# Allegro board 038RT-9068CJK8E-A100_0921_1.brd (continued)
## Nets (continued)
P5V: BDB26.1 BDB27.1 BDB28.1 CA5.1 CB259.1 CB260.1 FUSEB4.2
P12V: BDB23.1 BDB24.1 BDB25.1 CA6.1 CB253.1 CB254.1 FUSEB2.2
VDD5_ATX: BDB26.2 BDB27.2 BDB28.2 CA2.1 CB246.1 CB247.1 SH0_VDD5_ATX.1 SH1_VDD5_ATX.1 SH2_VDD5_ATX.1 SH3_VDD5_ATX.1
VDD18_ATX: R20.2 R21.2 R435.1 UNK1R20.2 UNK1R21.2 UNK2R20.2 UNK2R21.2 UNK3R20.2 UNK3R21.2 VDD18_ATX.1(TP)
VDD33_ATX: BDB29.2 BDB30.2 BDB31.2 C144.1 C145.1 C185.1 C213.1 C214.1 C217.1 CA1.1 CB249.1 CB250.1 CH11.1 CH21.1 CS1.1 K124.4 K124.5 K144.5(VDD[1]) K144.9(VDD[2]) K144.13(VDD[3]) K144.20(VDD[4]) K144.30(VDD[5]) K144.40(VDD[6]) K145.5(VDD[1]) K145.9(VDD[2]) K145.13(VDD[3]) K145.20(VDD[4]) K145.30(VDD[5]) K145.40(VDD[6]) K184.5(VDD[1]) K184.9(VDD[2]) K184.13(VDD[3]) K184.20(VDD[4]) K184.30(VDD[5]) K184.40(VDD[6]) K213.5(VDD[1]) K213.9(VDD[2]) K213.13(VDD[3]) K213.20(VDD[4]) K213.30(VDD[5]) K213.40(VDD[6]) K214.5(VDD[1]) K214.9(VDD[2]) K214.13(VDD[3]) K214.20(VDD[4]) K214.30(VDD[5]) K214.40(VDD[6]) K217.5(VDD[1]) K217.9(VDD[2]) K217.13(VDD[3]) K217.20(VDD[4]) K217.30(VDD[5]) K217.40(VDD[6]) LDOB2.3(IN) MUX1.16(EN) MUX2.16(EN) MUX3.16(EN) MUX4.16(EN) MUX5.16(EN) MUX6.16(EN) MUX7.16(EN) MUX8.16(EN) MUX9.16(EN) MUX10.16(EN) MUX11.16(EN) MUX12.16(EN) MUX13.16(EN) MUX14.16(EN) MUX15.16(EN) MUX16.16(EN) R586.1 RH122.1 RH222.1 RH1242.1 RH2242.1 RRG51.2 RRG53.2 RRG55.2 RRG57.2 RRG91.2 RRG93.2 RRG95.2 RS9.1 SPIH11.8(VCC) SPIH21.8(VCC) UNK1C144.1 UNK1C145.1 UNK1C185.1 UNK1C213.1 UNK1C214.1 UNK1C217.1 UNK1CH11.1 UNK1CH21.1 UNK1CS1.1 UNK1K124.4 UNK1K124.5 UNK1K144.5 UNK1K144.9 UNK1K144.13 UNK1K144.20 UNK1K144.30 UNK1K144.40 UNK1K145.5 UNK1K145.9 UNK1K145.13 UNK1K145.20 UNK1K145.30 UNK1K145.40 UNK1K184.5 UNK1K184.9 UNK1K184.13 UNK1K184.20 UNK1K184.30 UNK1K184.40 UNK1K213.5 UNK1K213.9 UNK1K213.13 UNK1K213.20 UNK1K213.30 UNK1K213.40 UNK1K214.5 UNK1K214.9 UNK1K214.13 UNK1K214.20 UNK1K214.30 UNK1K214.40 UNK1K217.5 UNK1K217.9 UNK1K217.13 UNK1K217.20 UNK1K217.30 UNK1K217.40 UNK1R586.1 UNK1RH122.1 UNK1RH222.1 UNK1RH1242.1 UNK1RH2242.1 UNK1RRG51.2 UNK1RRG53.2 UNK1RRG55.2 UNK1RRG57.2 UNK1RRG91.2 UNK1RRG93.2 UNK1RRG95.2 UNK1RS9.1 UNK1SPIH11.8 UNK1SPIH21.8 UNK2C144.1 UNK2C145.1 UNK2C185.1 UNK2C213.1 UNK2C214.1 UNK2C217.1 UNK2CH11.1 UNK2CH21.1 UNK2CS1.1 UNK2K124.4 UNK2K124.5 UNK2K144.5 UNK2K144.9 UNK2K144.13 UNK2K144.20 UNK2K144.30 UNK2K144.40 UNK2K145.5 UNK2K145.9 UNK2K145.13 UNK2K145.20 UNK2K145.30 UNK2K145.40 UNK2K184.5 UNK2K184.9 UNK2K184.13 UNK2K184.20 UNK2K184.30 UNK2K184.40 UNK2K213.5 UNK2K213.9 UNK2K213.13 UNK2K213.20 UNK2K213.30 UNK2K213.40 UNK2K214.5 UNK2K214.9 UNK2K214.13 UNK2K214.20 UNK2K214.30 UNK2K214.40 UNK2K217.5 UNK2K217.9 UNK2K217.13 UNK2K217.20 UNK2K217.30 UNK2K217.40 UNK2R586.1 UNK2RH122.1 UNK2RH222.1 UNK2RH1242.1 UNK2RH2242.1 UNK2RRG51.2 UNK2RRG53.2 UNK2RRG55.2 UNK2RRG57.2 UNK2RRG91.2 UNK2RRG93.2 UNK2RRG95.2 UNK2RS9.1 UNK2SPIH11.8 UNK2SPIH21.8 UNK3C144.1 UNK3C145.1 UNK3C185.1 UNK3C213.1 UNK3C214.1 UNK3C217.1 UNK3CH11.1 UNK3CH21.1 UNK3CS1.1 UNK3K124.4 UNK3K124.5 UNK3K144.5 UNK3K144.9 UNK3K144.13 UNK3K144.20 UNK3K144.30 UNK3K144.40 UNK3K145.5 UNK3K145.9 UNK3K145.13 UNK3K145.20 UNK3K145.30 UNK3K145.40 UNK3K184.5 UNK3K184.9 UNK3K184.13 UNK3K184.20 UNK3K184.30 UNK3K184.40 UNK3K213.5 UNK3K213.9 UNK3K213.13 UNK3K213.20 UNK3K213.30 UNK3K213.40 UNK3K214.5 UNK3K214.9 UNK3K214.13 UNK3K214.20 UNK3K214.30 UNK3K214.40 UNK3K217.5 UNK3K217.9 UNK3K217.13 UNK3K217.20 UNK3K217.30 UNK3K217.40 UNK3R586.1 UNK3RH122.1 UNK3RH222.1 UNK3RH1242.1 UNK3RH2242.1 UNK3RRG51.2 UNK3RRG53.2 UNK3RRG55.2 UNK3RRG57.2 UNK3RRG91.2 UNK3RRG93.2 UNK3RRG95.2 UNK3RS9.1 UNK3SPIH11.8 UNK3SPIH21.8
ATX_P3_3V: ATX1.1(+3.3V(1)) ATX1.2(+3.3V(2)) ATX1.12(+3.3V(3)) ATX1.13(+3.3V(4)) CA11.1 FUSEB3.1
ATX_P5V: ATX1.4(+5V(1)) ATX1.6(+5V(2)) ATX1.21(+5V(3)) ATX1.22(+5V(4)) ATX1.23(+5V(5)) FUSEB4.1
ATX_P12V: ATX1.10(+12V(1)) ATX1.11(+12V(2)) FUSEB2.1
CAL_SPI_CK0: SLOT18.A21
CAL_SPI_CK1: SLOT18.D9
CAL_SPI_CK2: SLOT18.D14
CAL_SPI_CK3: SLOT18.D19
CAL_SPI_DIN0: SLOT18.C24
CAL_SPI_DIN1: SLOT18.D11
CAL_SPI_DIN2: SLOT18.D16
CAL_SPI_DIN3: SLOT18.D21
CAL_SPI_DO0: SLOT18.A24
CAL_SPI_DO1: SLOT18.D12
CAL_SPI_DO2: SLOT18.D17
CAL_SPI_DO3: SLOT18.D22
CAL_SPI_SL0: SLOT18.A22
CAL_SPI_SL1: SLOT18.D10
CAL_SPI_SL2: SLOT18.D15
CAL_SPI_SL3: SLOT18.D20
CTO_CAP00: SLOT17.C23
CTO_CAP01: SLOT17.C20
CTO_CAP02: SLOT17.C17
CTO_CAP03: SLOT17.C14
CTO_CAP04: SLOT17.C11
CTO_CAP05: SLOT17.C8
CTO_CAP06: SLOT17.C5
CTO_CAP07: SLOT17.C2
CTO_CAP08: SLOT19.C23
CTO_CAP09: SLOT19.C20
CTO_CAP10: SLOT19.C17
CTO_CAP11: SLOT19.C14
CTO_CAP12: SLOT19.C11
CTO_CAP13: SLOT19.C8
CTO_CAP14: SLOT19.C5
CTO_CAP15: SLOT19.C2
CTO_CAP16: SLOT16.C23
CTO_CAP17: SLOT16.C20
CTO_CAP18: SLOT16.C17
CTO_CAP19: SLOT16.C14
CTO_CAP20: SLOT16.C11
CTO_CAP21: SLOT16.C8
CTO_CAP22: SLOT16.C5
CTO_CAP23: SLOT16.C2
CTO_CAP24: SLOT20.C23
CTO_CAP25: SLOT20.C20
CTO_CAP26: SLOT20.C17
CTO_CAP27: SLOT20.C14
CTO_CAP28: SLOT20.C11
CTO_CAP29: SLOT20.C8
CTO_CAP30: SLOT20.C5
CTO_CAP31: SLOT20.C2
CTO_DGS00: CTO_DGS00.1 SLOT17.A23
CTO_DGS01: CTO_DGS01.1 SLOT17.A20
CTO_DGS02: CTO_DGS02.1 SLOT17.A17
CTO_DGS03: CTO_DGS03.1 SLOT17.A14
CTO_DGS04: CTO_DGS04.1 SLOT17.A11
CTO_DGS05: CTO_DGS05.1 SLOT17.A8
CTO_DGS06: CTO_DGS06.1 SLOT17.A5
CTO_DGS07: CTO_DGS07.1 SLOT17.A2
CTO_DGS08: CTO_DGS08.1 SLOT19.A23
CTO_DGS09: CTO_DGS09.1 SLOT19.A20
CTO_DGS10: CTO_DGS10.1 SLOT19.A17
CTO_DGS11: CTO_DGS11.1 SLOT19.A14
CTO_DGS12: CTO_DGS12.1 SLOT19.A11
CTO_DGS13: CTO_DGS13.1 SLOT19.A8
CTO_DGS14: CTO_DGS14.1 SLOT19.A5
CTO_DGS15: CTO_DGS15.1 SLOT19.A2
CTO_DGS16: CTO_DGS16.1 SLOT16.A23
CTO_DGS17: CTO_DGS17.1 SLOT16.A20
CTO_DGS18: CTO_DGS18.1 SLOT16.A17
CTO_DGS19: CTO_DGS19.1 SLOT16.A14
CTO_DGS20: CTO_DGS20.1 SLOT16.A11
CTO_DGS21: CTO_DGS21.1 SLOT16.A8
CTO_DGS22: CTO_DGS22.1 SLOT16.A5
CTO_DGS23: CTO_DGS23.1 SLOT16.A2
CTO_DGS24: CTO_DGS24.1 SLOT20.A23
CTO_DGS25: CTO_DGS25.1 SLOT20.A20
CTO_DGS26: CTO_DGS26.1 SLOT20.A17
CTO_DGS27: CTO_DGS27.1 SLOT20.A14
CTO_DGS28: CTO_DGS28.1 SLOT20.A11
CTO_DGS29: CTO_DGS29.1 SLOT20.A8
CTO_DGS30: CTO_DGS30.1 SLOT20.A5
CTO_DGS31: CTO_DGS31.1 SLOT20.A2
CTO_FORCE00: SLOT17.B22
CTO_FORCE01: SLOT17.B19
CTO_FORCE02: SLOT17.B16
CTO_FORCE03: SLOT17.B13
CTO_FORCE04: SLOT17.B10
CTO_FORCE05: SLOT17.B7
CTO_FORCE06: SLOT17.B4
CTO_FORCE07: SLOT17.B1
CTO_FORCE08: SLOT19.B22
CTO_FORCE09: SLOT19.B19
CTO_FORCE10: SLOT19.B16
CTO_FORCE11: SLOT19.B13
CTO_FORCE12: SLOT19.B10
CTO_FORCE13: SLOT19.B7
CTO_FORCE14: SLOT19.B4
CTO_FORCE15: SLOT19.B1
CTO_FORCE16: SLOT16.B22
CTO_FORCE17: SLOT16.B19
CTO_FORCE18: SLOT16.B16
CTO_FORCE19: SLOT16.B13
CTO_FORCE20: SLOT16.B10
CTO_FORCE21: SLOT16.B7
CTO_FORCE22: SLOT16.B4
CTO_FORCE23: SLOT16.B1
CTO_FORCE24: SLOT20.B22
CTO_FORCE25: SLOT20.B19
CTO_FORCE26: SLOT20.B16
CTO_FORCE27: SLOT20.B13
CTO_FORCE28: SLOT20.B10
CTO_FORCE29: SLOT20.B7
CTO_FORCE30: SLOT20.B4
CTO_FORCE31: SLOT20.B1
CTO_SENSE00: SLOT17.A22
CTO_SENSE01: SLOT17.A19
CTO_SENSE02: SLOT17.A16
CTO_SENSE03: SLOT17.A13
CTO_SENSE04: SLOT17.A10
CTO_SENSE05: SLOT17.A7
CTO_SENSE06: SLOT17.A4
CTO_SENSE07: SLOT17.A1
CTO_SENSE08: SLOT19.A22
CTO_SENSE09: SLOT19.A19
CTO_SENSE10: SLOT19.A16
CTO_SENSE11: SLOT19.A13
CTO_SENSE12: SLOT19.A10
CTO_SENSE13: SLOT19.A7
CTO_SENSE14: SLOT19.A4
CTO_SENSE15: SLOT19.A1
CTO_SENSE16: SLOT16.A22
CTO_SENSE17: SLOT16.A19
CTO_SENSE18: SLOT16.A16
CTO_SENSE19: SLOT16.A13
CTO_SENSE20: SLOT16.A10
CTO_SENSE21: SLOT16.A7
CTO_SENSE22: SLOT16.A4
CTO_SENSE23: SLOT16.A1
CTO_SENSE24: SLOT20.A22
CTO_SENSE25: SLOT20.A19
CTO_SENSE26: SLOT20.A16
CTO_SENSE27: SLOT20.A13
CTO_SENSE28: SLOT20.A10
CTO_SENSE29: SLOT20.A7
CTO_SENSE30: SLOT20.A4
CTO_SENSE31: SLOT20.A1
CTO_VREFA00: SLOT17.B24
CTO_VREFA01: SLOT17.B21
CTO_VREFA02: SLOT17.B18
CTO_VREFA03: SLOT17.B15
CTO_VREFA04: SLOT17.B12
CTO_VREFA05: SLOT17.B9
CTO_VREFA06: SLOT17.B6
CTO_VREFA07: SLOT17.B3
CTO_VREFA08: SLOT19.B24
CTO_VREFA09: SLOT19.B21
CTO_VREFA10: SLOT19.B18
CTO_VREFA11: SLOT19.B15
CTO_VREFA12: SLOT19.B12
CTO_VREFA13: SLOT19.B9
CTO_VREFA14: SLOT19.B6
CTO_VREFA15: SLOT19.B3
CTO_VREFA16: SLOT16.B24
CTO_VREFA17: SLOT16.B21
CTO_VREFA18: SLOT16.B18
CTO_VREFA19: SLOT16.B15
CTO_VREFA20: SLOT16.B12
CTO_VREFA21: SLOT16.B9
CTO_VREFA22: SLOT16.B6
CTO_VREFA23: SLOT16.B3
CTO_VREFA24: SLOT20.B24
CTO_VREFA25: SLOT20.B21
CTO_VREFA26: SLOT20.B18
CTO_VREFA27: SLOT20.B15
CTO_VREFA28: SLOT20.B12
CTO_VREFA29: SLOT20.B9
CTO_VREFA30: SLOT20.B6
CTO_VREFA31: SLOT20.B3
CTO_VREFB00: SLOT17.A24
CTO_VREFB01: SLOT17.A21
CTO_VREFB02: SLOT17.A18
CTO_VREFB03: SLOT17.A15
CTO_VREFB04: SLOT17.A12
CTO_VREFB05: SLOT17.A9
CTO_VREFB06: SLOT17.A6
CTO_VREFB07: SLOT17.A3
CTO_VREFB08: SLOT19.A24
CTO_VREFB09: SLOT19.A21
CTO_VREFB10: SLOT19.A18
CTO_VREFB11: SLOT19.A15
CTO_VREFB12: SLOT19.A12
CTO_VREFB13: SLOT19.A9
CTO_VREFB14: SLOT19.A6
CTO_VREFB15: SLOT19.A3
CTO_VREFB16: SLOT16.A24
CTO_VREFB17: SLOT16.A21
CTO_VREFB18: SLOT16.A18
CTO_VREFB19: SLOT16.A15
CTO_VREFB20: SLOT16.A12
CTO_VREFB21: SLOT16.A9
CTO_VREFB22: SLOT16.A6
CTO_VREFB23: SLOT16.A3
CTO_VREFB24: SLOT20.A24
CTO_VREFB25: SLOT20.A21
CTO_VREFB26: SLOT20.A18
CTO_VREFB27: SLOT20.A15
CTO_VREFB28: SLOT20.A12
CTO_VREFB29: SLOT20.A9
CTO_VREFB30: SLOT20.A6
CTO_VREFB31: SLOT20.A3
CUB_DGS: DGS40.1 SLOT18.A18
IDCE: SLOT18.A7 UB1.1(C\S\)
IDDI: SLOT18.B7 UB1.5(SI)
IDDO: SLOT18.C7 UB1.2(SO)
IDSK: SLOT18.A8 UB1.6(SCK)
LB_GND: CBB0.2 CBB1.2 CBB2.2 CBB3.2 CBB4.2 CBB5.2 CBB6.2 CT2.2 CT3.2 CT4.2 CT5.2 CT6.2 CT7.2 CT8.2 CT9.2 CT10.2 CT11.2 CT12.2 CT13.2 DGS40.2 FILTER1.3(PSG) LDB1.2(B) LDB2.2(B) LDB3.2(B) LDB4.2(B) LDB5.2(B) LRB6.2 R1.2 RBB8.2 RRB1.1 RRB2.1 RRB3.1 RRB4.1 RRB5.1 RRB6.1 RRB7.1 RRB8.1 RRB9.1 RRB10.1 RRB11.1 RRB12.1 RRB13.1 RRB14.1 RRB15.1 RRB16.1 SLOT18.A5 SLOT18.A6 SLOT18.A9 SLOT18.A11 SLOT18.A13 SLOT18.A23 SLOT18.B6 SLOT18.B8 SLOT18.B9 SLOT18.B11 SLOT18.B13 SLOT18.B15 SLOT18.B21 SLOT18.B22 SLOT18.B24 SLOT18.C1 SLOT18.C2 SLOT18.C6 SLOT18.C8 SLOT18.C9 SLOT18.C11 SLOT18.C13 SLOT18.C15 SLOT18.C20 SLOT18.C23 SLOT18.D1 SLOT18.D2 SLOT18.D3 SLOT18.D4 SLOT18.D5 SLOT18.D6 SLOT18.D7 SLOT18.D8 UB1.4(VSS)
MGND: BD15.1 BD16.1 BD17.2 BD18.2 BDG15.1 BDG16.1 BDG17.2 BDG18.2 CD90.2 CD96.2 CD114.2 CG90.2 CG96.2 CG114.2 CMOS1.1(PS1) GOLD0.K5(MOSFET_GND) GOLD1.K5(MOSFET_GND) GOLD2.K5(MOSFET_GND) GOLD3.K5(MOSFET_GND) S0_MGND1.1(TP) S0_MGND2.1(TP) S0_MGND3.1(TP) S0_MGND4.1(TP) S1_MGND1.1(TP) S1_MGND2.1(TP) S1_MGND3.1(TP) S1_MGND4.1(TP) S2_MGND1.1(TP) S2_MGND2.1(TP) S2_MGND3.1(TP) S2_MGND4.1(TP) S3_MGND1.1(TP) S3_MGND2.1(TP) S3_MGND3.1(TP) S3_MGND4.1(TP) SG0_MGND1.1(TP) SG0_MGND2.1(TP) SG0_MGND3.1(TP) SG0_MGND4.1(TP) SG1_MGND1.1(TP) SG1_MGND2.1(TP) SG1_MGND3.1(TP) SG1_MGND4.1(TP) SG2_MGND1.1(TP) SG2_MGND2.1(TP) SG2_MGND3.1(TP) SG2_MGND4.1(TP) SG3_MGND1.1(TP) SG3_MGND2.1(TP) SG3_MGND3.1(TP) SG3_MGND4.1(TP) SITE0.K5(MOSFET_GND) SITE1.K5(MOSFET_GND) SITE2.K5(MOSFET_GND) SITE3.K5(MOSFET_GND) STG5.1 UNK1BD15.1 UNK1BD16.1 UNK1BD17.2 UNK1BD18.2 UNK1BDG15.1 UNK1BDG16.1 UNK1BDG17.2 UNK1BDG18.2 UNK1CD90.2 UNK1CD96.2 UNK1CD114.2 UNK1CG90.2 UNK1CG96.2 UNK1CG114.2 UNK1CMOS1.1 UNK1STG5.1 UNK2BD15.1 UNK2BD16.1 UNK2BD17.2 UNK2BD18.2 UNK2BDG15.1 UNK2BDG16.1 UNK2BDG17.2 UNK2BDG18.2 UNK2CD90.2 UNK2CD96.2 UNK2CD114.2 UNK2CG90.2 UNK2CG96.2 UNK2CG114.2 UNK2CMOS1.1 UNK2STG5.1 UNK3BD15.1 UNK3BD16.1 UNK3BD17.2 UNK3BD18.2 UNK3BDG15.1 UNK3BDG16.1 UNK3BDG17.2 UNK3BDG18.2 UNK3CD90.2 UNK3CD96.2 UNK3CD114.2 UNK3CG90.2 UNK3CG96.2 UNK3CG114.2 UNK3CMOS1.1 UNK3STG5.1
P3_3V: BDB29.1 BDB30.1 BDB31.1 CA4.1 CB256.1 CB257.1 FUSEB3.2
PCIE_GND: BDH11.2 BDH12.2 BDH13.2 BDH14.2 BDH21.2 BDH22.2 BDH23.2 BDH24.2 CH111.2 CH112.2 CH121.2 CH122.2 CH211.2 CH212.2 CH221.2 CH222.2 CH1551.2 CH1552.2 CH1601.2 CH1602.2 CH1631.2 CH1632.2 CH2551.2 CH2552.2 CH2601.2 CH2602.2 CH2631.2 CH2632.2 HOST1.66(PCIE_GNDA) HOST2.66(PCIE_GNDA) SH01_PCIEGND1.1(TP) SH01_PCIEGND2.1(TP) SH01_PCIEGND3.1(TP) SH01_PCIEGND4.1(TP) SH02_PCIEGND1.1(TP) SH02_PCIEGND2.1(TP) SH02_PCIEGND3.1(TP) SH02_PCIEGND4.1(TP) SH11_PCIEGND1.1(TP) SH11_PCIEGND2.1(TP) SH11_PCIEGND3.1(TP) SH11_PCIEGND4.1(TP) SH12_PCIEGND1.1(TP) SH12_PCIEGND2.1(TP) SH12_PCIEGND3.1(TP) SH12_PCIEGND4.1(TP) SH21_PCIEGND1.1(TP) SH21_PCIEGND2.1(TP) SH21_PCIEGND3.1(TP) SH21_PCIEGND4.1(TP) SH22_PCIEGND1.1(TP) SH22_PCIEGND2.1(TP) SH22_PCIEGND3.1(TP) SH22_PCIEGND4.1(TP) SH31_PCIEGND1.1(TP) SH31_PCIEGND2.1(TP) SH31_PCIEGND3.1(TP) SH31_PCIEGND4.1(TP) SH32_PCIEGND1.1(TP) SH32_PCIEGND2.1(TP) SH32_PCIEGND3.1(TP) SH32_PCIEGND4.1(TP) UNK1BDH11.2 UNK1BDH12.2 UNK1BDH13.2 UNK1BDH14.2 UNK1BDH21.2 UNK1BDH22.2 UNK1BDH23.2 UNK1BDH24.2 UNK1CH111.2 UNK1CH112.2 UNK1CH121.2 UNK1CH122.2 UNK1CH211.2 UNK1CH212.2 UNK1CH221.2 UNK1CH222.2 UNK1CH1551.2 UNK1CH1552.2 UNK1CH1601.2 UNK1CH1602.2 UNK1CH1631.2 UNK1CH1632.2 UNK1CH2551.2 UNK1CH2552.2 UNK1CH2601.2 UNK1CH2602.2 UNK1CH2631.2 UNK1CH2632.2 UNK1HOST1.66 UNK1HOST2.66 UNK2BDH11.2 UNK2BDH12.2 UNK2BDH13.2 UNK2BDH14.2 UNK2BDH21.2 UNK2BDH22.2 UNK2BDH23.2 UNK2BDH24.2 UNK2CH111.2 UNK2CH112.2 UNK2CH121.2 UNK2CH122.2 UNK2CH211.2 UNK2CH212.2 UNK2CH221.2 UNK2CH222.2 UNK2CH1551.2 UNK2CH1552.2 UNK2CH1601.2 UNK2CH1602.2 UNK2CH1631.2 UNK2CH1632.2 UNK2CH2551.2 UNK2CH2552.2 UNK2CH2601.2 UNK2CH2602.2 UNK2CH2631.2 UNK2CH2632.2 UNK2HOST1.66 UNK2HOST2.66 UNK3BDH11.2 UNK3BDH12.2 UNK3BDH13.2 UNK3BDH14.2 UNK3BDH21.2 UNK3BDH22.2 UNK3BDH23.2 UNK3BDH24.2 UNK3CH111.2 UNK3CH112.2 UNK3CH121.2 UNK3CH122.2 UNK3CH211.2 UNK3CH212.2 UNK3CH221.2 UNK3CH222.2 UNK3CH1551.2 UNK3CH1552.2 UNK3CH1601.2 UNK3CH1602.2 UNK3CH1631.2 UNK3CH1632.2 UNK3CH2551.2 UNK3CH2552.2 UNK3CH2601.2 UNK3CH2602.2 UNK3CH2631.2 UNK3CH2632.2 UNK3HOST1.66 UNK3HOST2.66
S0_1_CKXTAL1: C169.2 K34.5 Y7.3
S0_1_CKXTAL2: C168.2 K34.4 Y7.1
S0_1_INH: K6.4(COMMON1) R362.1
S0_1_NGATE: CMOS1.2(PG1) K11.8(NO2)
S0_1_P6_HSI+: K213.31(C1-) K214.12(A2-)
S0_1_P6_HSI-: K213.32(C1+) K214.11(A2+)
S0_1_P6_HSO+: K213.34(C0+) K217.11(A2+)
S0_1_P6_HSO-: K213.33(C0-) K217.12(A2-)
S0_1_P7_HSI+: K213.22(C3-) K214.16(A3-)
S0_1_P7_HSI-: K213.23(C3+) K214.15(A3+)
S0_1_P7_HSO+: K213.25(C2+) K217.15(A3+)
S0_1_P7_HSO-: K213.24(C2-) K217.16(A3-)
S0_1_PGATE: CMOS1.4(NG2) K11.5(NO1)
S0_1_VSENSE: CMOS1.5(ND2[1]) CMOS1.6(ND2[2]) CMOS1.7(PD1[1]) CMOS1.8(PD1[2]) CMOS1.9(PD1[3]) CMOS1.10(ND2[3]) K223.5(NO1) L3.1
S0_1_WAKE: K82.5(NO1) R276.1
S0_2_GPIOA1: K124.3 R328.2
S0_2_GPIOA2: K124.6 R327.2
S0_AVDD09: BD2.1 CD26.1 CD27.1 CD28.1 CD29.1 CD30.1 CD31.1 CD32.1 CD33.1 CD34.1 CD35.1 CD36.1 CD37.1 CD38.1 CD39.1 CD40.1 CD41.1 CD42.1 CD43.1 CD44.1 CD82.1 CD86.1 S0_AVDD09.1(TP) SITE0.A8(AVDD09_FE[01]) SITE0.D8(AVDD09_FE[02]) SITE0.D15(AVDD09_MCK[01]) SITE0.D16(AVDD09_GIGA[01]) SITE0.E4(AVDD09[01]) SITE0.E5(AVDD09[02]) SITE0.E15(AVDD09_MCK[02]) SITE0.E16(AVDD09_GIGA[02]) SITE0.T13(AVDD09_SGMII[01]) SITE0.T14(AVDD09_SGMII[02]) SITE0.V4(AVDD09_RX[01]) SITE0.V5(AVDD09_RX[02]) SITE0.V8(AVDD09_CMU[01]) SITE0.V9(AVDD09_CMU[02]) SITE0.V10(AVDD09_TX[01]) SITE0.V11(AVDD09_TX[02])
S0_AVDD09_VO09: K4.8(NO2) RD21.1
S0_AVDD33: CD51.1 CD52.1 CD53.1 CD54.1 CD55.1 CD56.1 CD57.1 CD58.1 CD59.1 CD60.1 CD61.1 CD62.1 CD63.1 CD64.1 CD65.1 CD66.1 CD67.1 CD68.1 CD69.1 CD70.1 CD71.1 CD72.1 CD73.1 CD87.1 CD88.1 RD32.1 S0_AVDD33.1(TP) SITE0.B12(AVDD33_XTAL[01]) SITE0.B13(AVDD33_XTAL[02]) SITE0.B14(AVDD33_CEN) SITE0.B17(AVDD33_MCK[01]) SITE0.B18(AVDD33_MCK[02]) SITE0.D4(AVDD33[01]) SITE0.D5(AVDD33[02]) SITE0.D6(AVDD33_DIG[01]) SITE0.D7(AVDD33_FE[01]) SITE0.E6(AVDD33_DIG[02]) SITE0.E7(AVDD33_FE[02]) SITE0.E11(AVDD33_CKDIG) SITE0.F15(AVDD33_P2[01]) SITE0.F16(AVDD33_P3[01]) SITE0.G5(AVDD33_PCTL) SITE0.G15(AVDD33_P2[02]) SITE0.G16(AVDD33_P3[02]) SITE0.T9(AVDD33_CMU[01]) SITE0.T10(AVDD33_CMU[02]) SITE0.T15(AVDD33_SGMII[01]) SITE0.T16(AVDD33_SGMII[02]) SITE0.V16(AVDD33_SGMII[03])
S0_AVDD33_MOSFET: BD5.1 CD90.1 CD96.1 CD114.1 CMOS1.3(NS2) S0_AVDD33_MOSFET.1(TP) SITE0.J5(AVDD33MOSFET) ST5.1
S0_CHR_FE_MDI+: K58.4 R130.1
S0_CHR_FE_MDI-: K58.5 R130.2
S0_CHR_FE_MDIX+: K54.4 R126.1
S0_CHR_FE_MDIX-: K54.5 R126.2
S0_CKXTAL1: K34.6 SITE0.A13(XI)
S0_CKXTAL2: K34.3 SITE0.A12(XO)
S0_DCH_AT+: MUX15.2(S1A) SITE0.B15(ATP)
S0_DCH_AT-: MUX15.11(S1B) SITE0.B16(ATN)
S0_DCH_P4_HSI+: K184.33(C0-) MUX1.2(S1A)
S0_DCH_P4_HSI-: K184.34(C0+) MUX1.11(S1B)
S0_DCH_P4_HSO+: K184.31(C1-) MUX2.2(S1A)
S0_DCH_P4_HSO-: K184.32(C1+) MUX2.11(S1B)
S0_DCH_P5_HSI+: K184.24(C2-) MUX3.2(S1A)
S0_DCH_P5_HSI-: K184.25(C2+) MUX3.11(S1B)
S0_DCH_P5_HSO+: K184.22(C3-) MUX4.2(S1A)
S0_DCH_P5_HSO-: K184.23(C3+) MUX4.11(S1B)
S0_DCH_P6_CLKREQB: K211.4 MUX11.2(S1A)
S0_DCH_P6_HSI+: K214.24(C2-) MUX6.2(S1A)
S0_DCH_P6_HSI-: K214.25(C2+) MUX6.11(S1B)
S0_DCH_P6_HSO+: K217.25(C2+) MUX7.2(S1A)
S0_DCH_P6_HSO-: K217.24(C2-) MUX7.11(S1B)
S0_DCH_P6_ISOLATEB: K220.4 MUX13.2(S1A)
S0_DCH_P6_LANWAKEB: K212.4 MUX12.2(S1A)
S0_DCH_P6_PCIE_RESETB: K221.4 MUX14.2(S1A)
S0_DCH_P6_REFCLK_100M+: K214.34(C0+) MUX5.2(S1A)
S0_DCH_P6_REFCLK_100M-: K214.33(C0-) MUX5.11(S1B)
S0_DCH_P7_CLKREQB: K211.5 MUX11.11(S1B)
S0_DCH_P7_HSI+: K214.22(C3-) MUX9.2(S1A)
S0_DCH_P7_HSI-: K214.23(C3+) MUX9.11(S1B)
S0_DCH_P7_HSO+: K217.23(C3+) MUX10.2(S1A)
S0_DCH_P7_HSO-: K217.22(C3-) MUX10.11(S1B)
S0_DCH_P7_ISOLATEB: K220.5 MUX13.11(S1B)
S0_DCH_P7_LANWAKEB: K212.5 MUX12.11(S1B)
S0_DCH_P7_PCIE_RESETB: K221.5 MUX14.11(S1B)
S0_DCH_P7_REFCLK_100M+: K214.32(C1+) MUX8.2(S1A)
S0_DCH_P7_REFCLK_100M-: K214.31(C1-) MUX8.11(S1B)
S0_DISB: RD178.1 SITE0.R1(DISB)
S0_DPS_AVDD09: CD45.1 CD46.1 CD47.1 CD48.1 CD49.1 CD50.1 K4.10(NC2) S0_DPS_AVDD09.1 SLOT23.E1 ST2.1
S0_DPS_AVDD33: BD5.2 CD74.1 CD75.1 CD76.1 CD77.1 CD78.1 CD79.1 CD111.1 CD113.1 CD115.1 CD116.1 CD117.1 CD118.1 CD119.1 CD120.1 RD32.2 S0_DPS_AVDD33.1 SLOT23.E2 SLOT23.E5
S0_DPS_DVDD09: CD20.1 CD21.1 CD22.1 CD23.1 CD24.1 CD25.1 CD169.1 CD170.1 CD171.1 CD172.1 CD173.1 CD174.1 K4.3(NC1) S0_DPS_DVDD09.1 SLOT23.D19 SLOT23.D22
S0_DPS_DVDD33: CD93.1 CD94.1 CD95.1 CD97.1 CD112.1 RD42.2 RD43.1 S0_DPS_DVDD33.1
S0_DPS_GPIO_P015VDDIO: CD121.1 CD122.1 CD123.1 CD124.1 CD125.1 CD126.1 K5.3(NC1) K5.5(NO1) K5.10(NC2) S0_DPS_GPIO_P015.1 SLOT23.D10
S0_DPS_LDOIN: CD155.1 CD156.1 CD157.1 CD158.1 CD159.1 CD160.1 CD167.1 RD43.2 RD72.2 S0_DPS_LDOIN.1 SLOT23.D7
S0_DVDD09: BD1.1 BD19.1 BD20.1 CD1.1 CD2.1 CD3.1 CD4.1 CD5.1 CD6.1 CD7.1 CD8.1 CD9.1 CD10.1 CD11.1 CD12.1 CD13.1 CD14.1 CD15.1 CD16.1 CD17.1 CD18.1 CD19.1 CD80.1 CD81.1 S0_DVDD09.1(TP) SITE0.G8(DVDD09[01]) SITE0.H9(DVDD09[02]) SITE0.J9(DVDD09[03]) SITE0.K9(DVDD09[04]) SITE0.L9(DVDD09[05]) SITE0.M10(DVDD09[06]) SITE0.M11(DVDD09[07]) SITE0.M12(DVDD09[08]) SITE0.N10(DVDD09[09]) SITE0.N11(DVDD09[10]) SITE0.N12(DVDD09[11]) ST1.1
S0_DVDD09_VO09: K4.5(NO1) RD11.1
S0_DVDD33: CD83.1 CD84.1 CD85.1 CD89.1 CD91.1 CD92.1 CD100.1 CD142.1 RD42.1 S0_DVDD33.1(TP) SITE0.M13(DVDD33[01]) SITE0.N13(DVDD33[02])
S0_F_AVDD09: BD2.2 CD110.1 CD179.1 K4.9(COMMON2)
S0_F_DVDD09: BD1.2 BD19.2 BD20.2 CD109.1 CD178.1 K4.4(COMMON1)
S0_F_GPIO_VDDIO: CD135.1 CD180.1 K5.4(COMMON1) RD64.2
S0_F_P0_1_5_VDDIO: BD8.2 BD9.2 BD10.2 CD144.1 CD149.1 CD154.1 CD181.1 CD182.1 CD183.1 K5.9(COMMON2)
S0_FE_LED0: RD88.1 SITE0.N15(FE_LED0)
S0_FE_LED1: RD89.1 SITE0.P15(FE_LED1)
S0_FE_MDI+: K56.3 SITE0.B8(FE_MDIPA)
S0_FE_MDI-: K56.6 SITE0.B7(FE_MDINA)
S0_FE_MDIX+: K52.3 SITE0.A7(FE_MDIPB)
S0_FE_MDIX-: K52.6 SITE0.A6(FE_MDINB)
S0_GPIO_VDDIO: CD108.1 CD127.1 CD128.1 CD129.1 CD130.1 CD131.1 CD132.1 CD133.1 CD134.1 CD143.1 RD62.2 RD64.1 S0_GPIO_VDDIO.1(TP) SITE0.L7(GPIO0_VDDIO) SITE0.M9(GPIO1_VDDIO) SITE0.R6(MAC_VDDIO[01]) SITE0.T6(MAC_VDDIO[02]) ST6.1
S0_GPIOA_0: RD81.1 SITE0.L1(GPIOA_0)
S0_GPIOA_1: RD83.1 SITE0.M1(GPIOA_1)
S0_GPIOA_2: RD82.1 SITE0.N1(GPIOA_2)
S0_GPIOA_3: RD84.1 SITE0.P1(GPIOA_3)
S0_GPIOB_0: RD85.1 SITE0.L2(GPIOB_0)
S0_GPIOB_1: RD86.1 SITE0.M2(GPIOB_1)
S0_GPIOB_2: RD101.1 SITE0.N2(GPIOB_2)
S0_GPIOC_0: RD98.1 SITE0.L4(GPIOC_0)
S0_GPIOC_1: RD99.1 SITE0.L5(GPIOC_1)
S0_H_SW_CTRL: R137.2 S0_SW_CTRL.1
S0_HOLD: RD78.1 SITE0.N16(SPI_SIO3)
S0_INH: K6.5(NO1) R275.1 R360.1 SITE0.J4(INH)
S0_INH_DIV2: K6.3(NC1) R360.2 R361.1
S0_INH_GND: K6.9(COMMON2) R361.2
S0_L_SW_CTRL: R138.2 S0_SW_CTRL.3
S0_LB_FE_MDI+: U6.43(6B2) U6.53(2B2)
S0_LB_FE_MDI-: U6.42(7B2) U6.52(3B2)
S0_LB_FE_MDIX+: U6.37(8B2) U6.59(0B2)
S0_LB_FE_MDIX-: U6.36(9B2) U6.58(1B2)
S0_LB_P2_GIGA_MDI+: K144.23(C3+) K144.25(C2+)
S0_LB_P2_GIGA_MDI-: K144.22(C3-) K144.24(C2-)
S0_LB_P3_GIGA_MDI+: K144.32(C1+) K144.34(C0+)
S0_LB_P3_GIGA_MDI-: K144.31(C1-) K144.33(C0-)
S0_LDOIN: CD98.1 CD99.1 CD161.1 CD162.1 CD163.1 CD164.1 CD165.1 CD166.1 RD72.1 S0_LDOIN.1(TP) SITE0.H12(P5_LDOIN[01]) SITE0.H13(P1_LDOIN[01]) SITE0.J7(P0_LDOIN[01]) SITE0.J12(P5_LDOIN[02]) SITE0.J13(P1_LDOIN[02]) SITE0.K7(P0_LDOIN[02]) ST3.1
S0_MCT1: R134.1 T12.2(MCT1)
S0_MCT2: R133.1 T12.7(MCT2)
S0_MCT_RC: C172.1 R133.2 R134.2
S0_NGATE: K11.9(COMMON2) SITE0.F5(NGATE)
S0_OE_K144: K144.1(/OE1) K144.10(/OE2) RL18.1
S0_OE_K145: K145.1(/OE1) K145.10(/OE2) RL16.1
S0_OE_K184: K184.1(/OE1) K184.10(/OE2) RL21.1
S0_OE_K213: K213.1(/OE1) K213.10(/OE2) RL42.1
S0_OE_K214: K214.1(/OE1) K214.10(/OE2) RL44.1
S0_OE_K217: K217.1(/OE1) K217.10(/OE2) RL39.1
S0_P0_LDOOUT: K8.4(COMMON1) SITE0.H7(P0_LDOOUT[01]) SITE0.H8(P0_LDOOUT[02])
S0_P0_LED: RD90.1 SITE0.H15(P0_LED)
S0_P0_MDI+: K60.3 SITE0.A3(P0_MDIP)
S0_P0_MDI-: K60.6 SITE0.A2(P0_MDIN)
S0_P0_RXC: RR410.1 SITE0.G1(P0_RXC)
S0_P0_RXD0: RR413.1 SITE0.K2(P0_RXD0)
S0_P0_RXD1: RR407.1 SITE0.K1(P0_RXD1)
S0_P0_RXD2: RR411.1 SITE0.J2(P0_RXD2)
S0_P0_RXD3: RR408.1 SITE0.J1(P0_RXD3)
S0_P0_RXDV: RR409.1 SITE0.H2(P0_RXDV)
S0_P0_RXER: RR406.1 SITE0.H1(P0_RXER)
S0_P0_TESTD: RR412.1 SITE0.G2(P0_TESTD)
S0_P0_TXC: RR404.1 SITE0.E2(P0_TXC)
S0_P0_TXD0: RR400.1 SITE0.D2(P0_TXD0)
S0_P0_TXD1: RR401.1 SITE0.D1(P0_TXD1)
S0_P0_TXD2: RR402.1 SITE0.C2(P0_TXD2)
S0_P0_TXD3: RR403.1 SITE0.C1(P0_TXD3)
S0_P0_TXEN: RR405.1 SITE0.E1(P0_TXEN)
S0_P0_VDDIO: BD8.1 CD104.1 CD105.1 CD136.1 CD137.1 CD138.1 CD139.1 K8.3(NC1) SITE0.B1(P0_VDDIO[01]) SITE0.F1(P0_VDDIO[02]) SITE0.F2(P0_VDDIO[03])
S0_P1_LDOOUT: K9.4(COMMON1) SITE0.K13(P1_LDOOUT[01]) SITE0.L13(P1_LDOOUT[02])
S0_P1_LED: RD95.1 SITE0.J16(P1_LED)
S0_P1_MDI+: K64.3 SITE0.B4(P1_MDIP)
S0_P1_MDI-: K64.6 SITE0.B3(P1_MDIN)
S0_P1_RXC: RR524.1 RR534.1 SITE0.R18(P1_RXC)
S0_P1_RXD0: RR520.1 RR530.1 SITE0.M18(P1_RXD0)
S0_P1_RXD1: RR521.1 RR531.1 SITE0.M19(P1_RXD1)
S0_P1_RXD2: RR522.1 RR532.1 SITE0.N18(P1_RXD2)
S0_P1_RXD3: RR523.1 RR533.1 SITE0.N19(P1_RXD3)
S0_P1_RXDV: RR525.1 RR535.1 SITE0.P18(P1_RXDV)
S0_P1_TXC: RR504.1 RR514.1 SITE0.T19(P1_TXC)
S0_P1_TXD0: RR500.1 RR510.1 SITE0.V19(P1_TXD0)
S0_P1_TXD1: RR501.1 RR511.1 SITE0.V18(P1_TXD1)
S0_P1_TXD2: RR502.1 RR512.1 SITE0.W18(P1_TXD2)
S0_P1_TXD3: RR503.1 RR513.1 SITE0.V17(P1_TXD3)
S0_P1_TXEN: RR505.1 RR515.1 SITE0.U19(P1_TXEN)
S0_P1_VDDIO: BD9.1 CD106.1 CD107.1 CD145.1 CD146.1 CD147.1 CD148.1 K9.3(NC1) SITE0.R19(P1_VDDIO[01]) SITE0.T18(P1_VDDIO[02])
S0_P2_GIGA_MDI+: SITE0.A16(P2_GIGA_MDIP) T18.3
S0_P2_GIGA_MDI-: SITE0.A15(P2_GIGA_MDIN) T18.4
S0_P2_LED: RD96.1 SITE0.J15(P2_LED)
S0_P3_GIGA_MDI+: SITE0.A18(P3_GIGA_MDIP) T23.3
S0_P3_GIGA_MDI-: SITE0.A17(P3_GIGA_MDIN) T23.4
S0_P3_LED: RD100.1 SITE0.K15(P3_LED)
S0_P4_HSI+: K184.3(A0-) SITE0.V12(P4_HSIP)
S0_P4_HSI-: K184.2(A0+) SITE0.V13(P4_HSIN)
S0_P4_HSO+: K184.7(A1-) SITE0.W13(P4_HSOP)
S0_P4_HSO-: K184.6(A1+) SITE0.W14(P4_HSON)
S0_P5_HSI+: K184.12(A2-) SITE0.V14(P5_HSIP)
S0_P5_HSI-: K184.11(A2+) SITE0.V15(P5_HSIN)
S0_P5_HSO+: K184.16(A3-) SITE0.W15(P5_HSOP)
S0_P5_HSO-: K184.15(A3+) SITE0.W16(P5_HSON)
S0_P5_LDOOUT: K10.4(COMMON1) SITE0.K12(P5_LDOOUT[01]) SITE0.L12(P5_LDOOUT[02])
S0_P5_LED: RD87.1 SITE0.L15(P5_LED)
S0_P5_MDI+: K130.3 SITE0.A5(P5_MDIP)
S0_P5_MDI-: K130.6 SITE0.A4(P5_MDIN)
S0_P5_RXC: RR924.1 RR934.1 SITE0.G19(P5_RXC)
S0_P5_RXD0: RR920.1 RR930.1 SITE0.D19(P5_RXD0)
S0_P5_RXD1: RR921.1 RR931.1 SITE0.E18(P5_RXD1)
S0_P5_RXD2: RR922.1 RR932.1 SITE0.E19(P5_RXD2)
S0_P5_RXD3: RR923.1 RR933.1 SITE0.F18(P5_RXD3)
S0_P5_RXDV: RR925.1 RR935.1 SITE0.F19(P5_RXDV)
S0_P5_TXC: RR904.1 RR914.1 SITE0.J18(P5_TXC)
S0_P5_TXD0: RR900.1 RR910.1 SITE0.K18(P5_TXD0)
S0_P5_TXD1: RR901.1 RR911.1 SITE0.K19(P5_TXD1)
S0_P5_TXD2: RR902.1 RR912.1 SITE0.L18(P5_TXD2)
S0_P5_TXD3: RR903.1 RR913.1 SITE0.L19(P5_TXD3)
S0_P5_TXEN: RR905.1 RR915.1 SITE0.J19(P5_TXEN)
S0_P5_VDDIO: BD10.1 CD140.1 CD141.1 CD150.1 CD151.1 CD152.1 K10.3(NC1) SITE0.D18(P5_VDDIO[01]) SITE0.H18(P5_VDDIO[02]) SITE0.H19(P5_VDDIO[03])
S0_P6_CLKREQB: K211.3 SITE0.U1(P6_CLKREQB)
S0_P6_HSI+: K213.7(A1-) SITE0.W6(P6_HSIP)
S0_P6_HSI-: K213.6(A1+) SITE0.W5(P6_HSIN)
S0_P6_HSO+: K213.2(A0+) SITE0.W3(P6_HSOP)
S0_P6_HSO-: K213.3(A0-) SITE0.W4(P6_HSON)
S0_P6_ISOLATEB: K220.3 SITE0.U2(P6_ISOLATEB)
S0_P6_LANWAKEB: K212.3 SITE0.T2(P6_LANWAKEB)
S0_P6_LED: RD92.1 SITE0.M15(P6_LED)
S0_P6_MDI+: K140.3 SITE0.B6(P6_MDIP)
S0_P6_MDI-: K140.6 SITE0.B5(P6_MDIN)
S0_P6_PCIE_RESETB: K221.3 SITE0.V1(P6_PCIE_RESETB)
S0_P6_REFCLK+: K214.2(A0+) SITE0.V2(P6_REFCLK_P)
S0_P6_REFCLK-: K214.3(A0-) SITE0.V3(P6_REFCLK_N)
S0_P7_CLKREQB: K211.6 SITE0.R5(P7_CLKREQB)
S0_P7_HSI+: K213.16(A3-) SITE0.W11(P7_HSIP)
S0_P7_HSI-: K213.15(A3+) SITE0.W10(P7_HSIN)
S0_P7_HSO+: K213.11(A2+) SITE0.W8(P7_HSOP)
S0_P7_HSO-: K213.12(A2-) SITE0.W9(P7_HSON)
S0_P7_ISOLATEB: K220.6 SITE0.T4(P7_ISOLATEB)
S0_P7_LANWAKEB: K212.6 SITE0.R4(P7_LANWAKEB)
S0_P7_PCIE_RESETB: K221.6 SITE0.T5(P7_PCIE_RESETB)
S0_P7_REFCLK+: K214.6(A1+) SITE0.V6(P7_REFCLK_P)
S0_P7_REFCLK-: K214.7(A1-) SITE0.V7(P7_REFCLK_N)
S0_PGATE: K11.4(COMMON1) SITE0.H5(PGATE)
S0_R_P0_RXC: K233.3 RR410.2
S0_R_P0_RXD0: K182.6 RR413.2
S0_R_P0_RXD1: K231.6 RR407.2